# Altium PCB NC1-1B-TESTADAPTER-BASIS_2.PcbDoc
Units mm, origin at the board's own origin, x right, y up, seen from the top; angles counter-clockwise.
Board outline 100 x 100 mm, 4 copper layers (Top Layer, Mid 1 (GND), Mid 2 (PWR), Bottom Layer), stack 1.586 mm thick; 27 components, 23 nets, 46 pads, 0 vias.
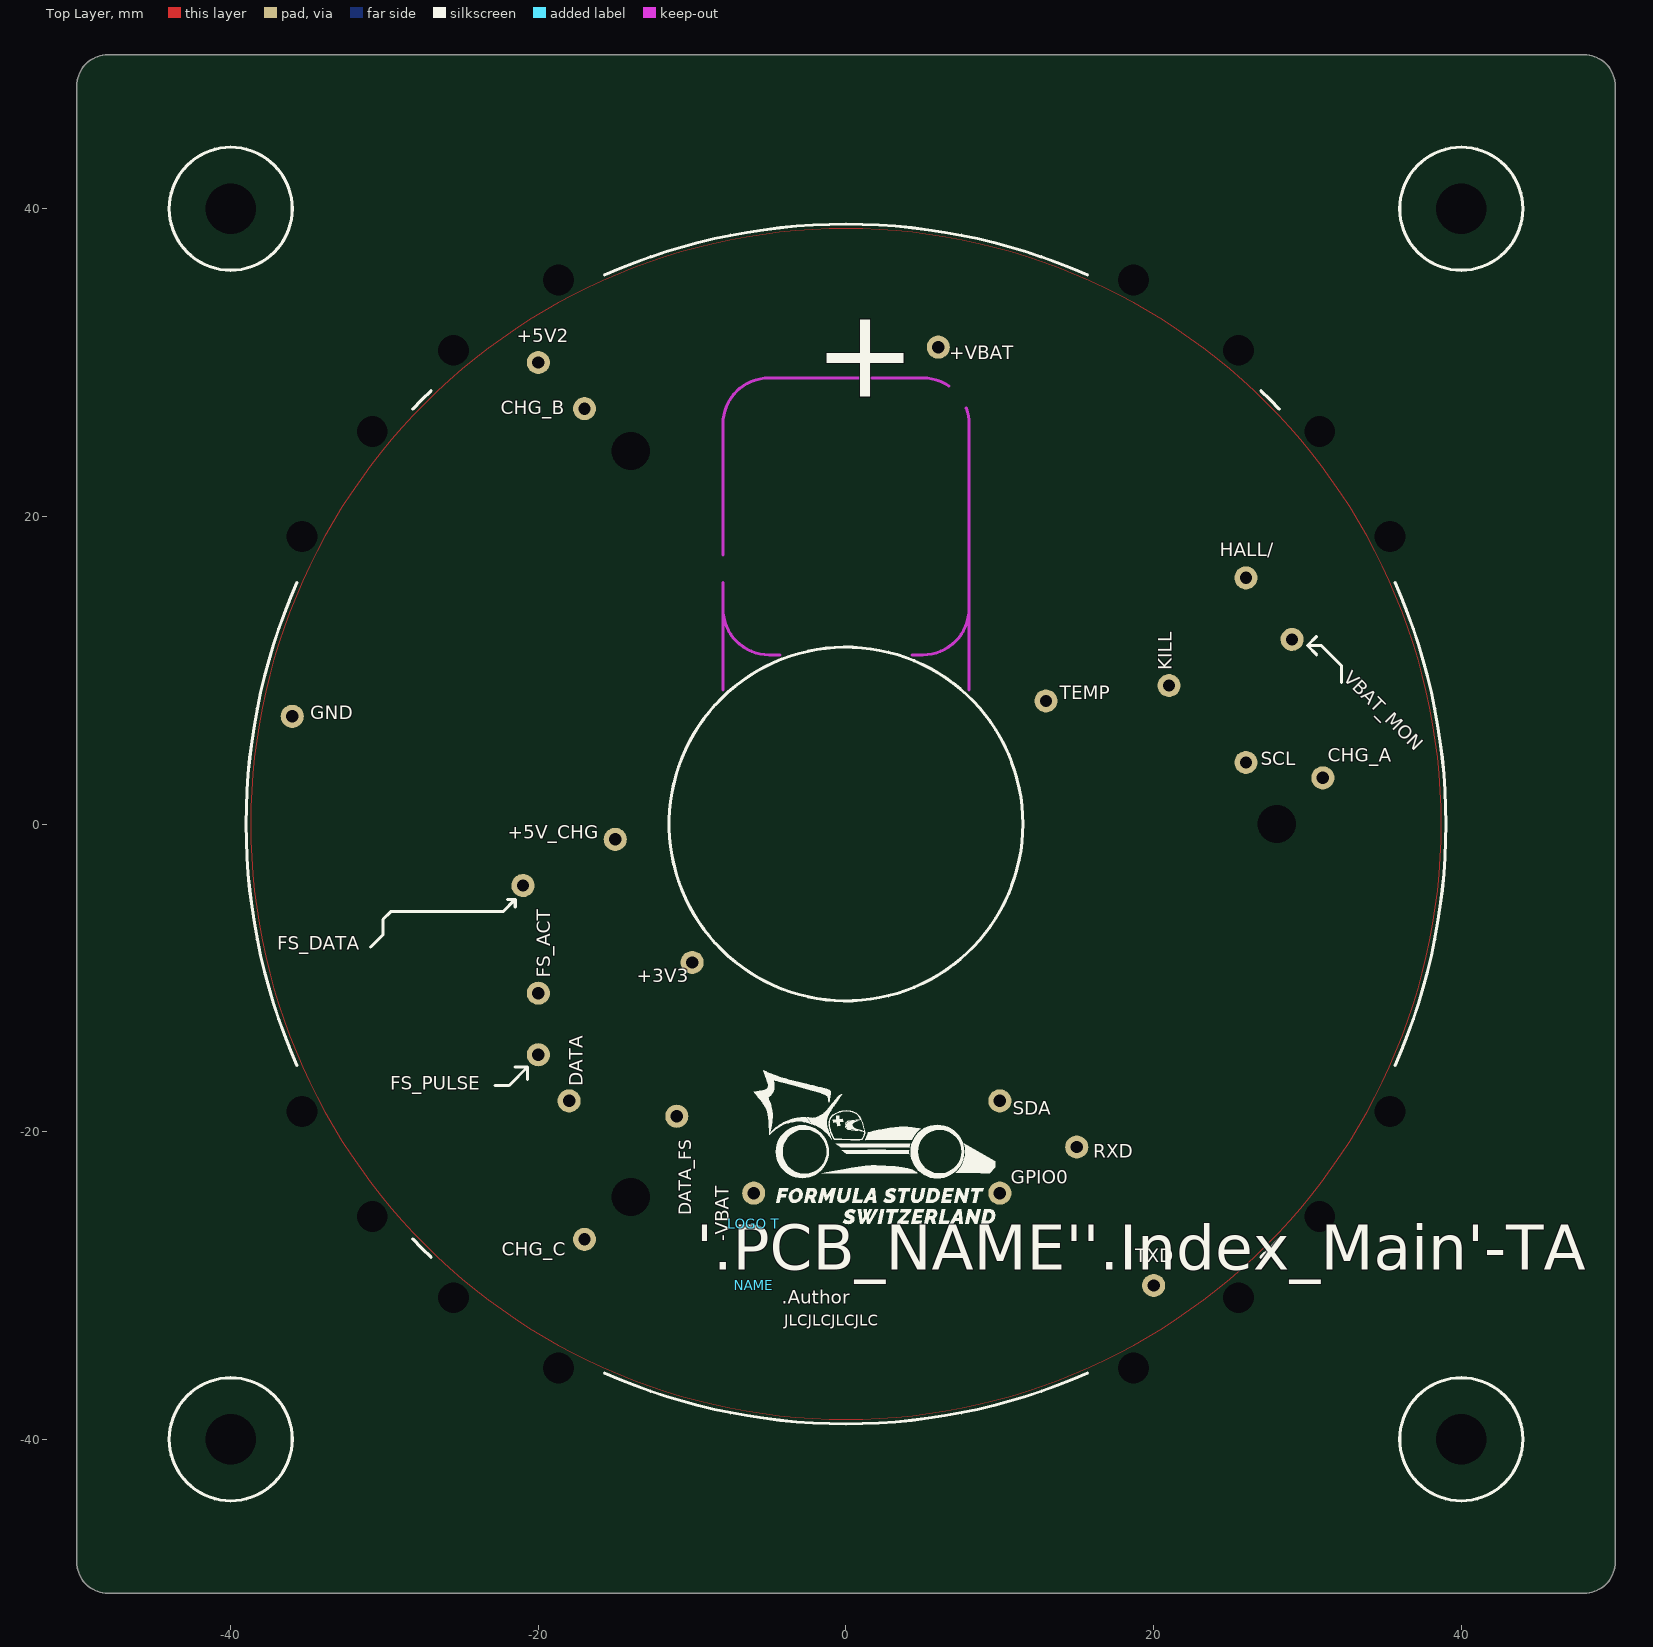
[diagram p0: Top Layer view]
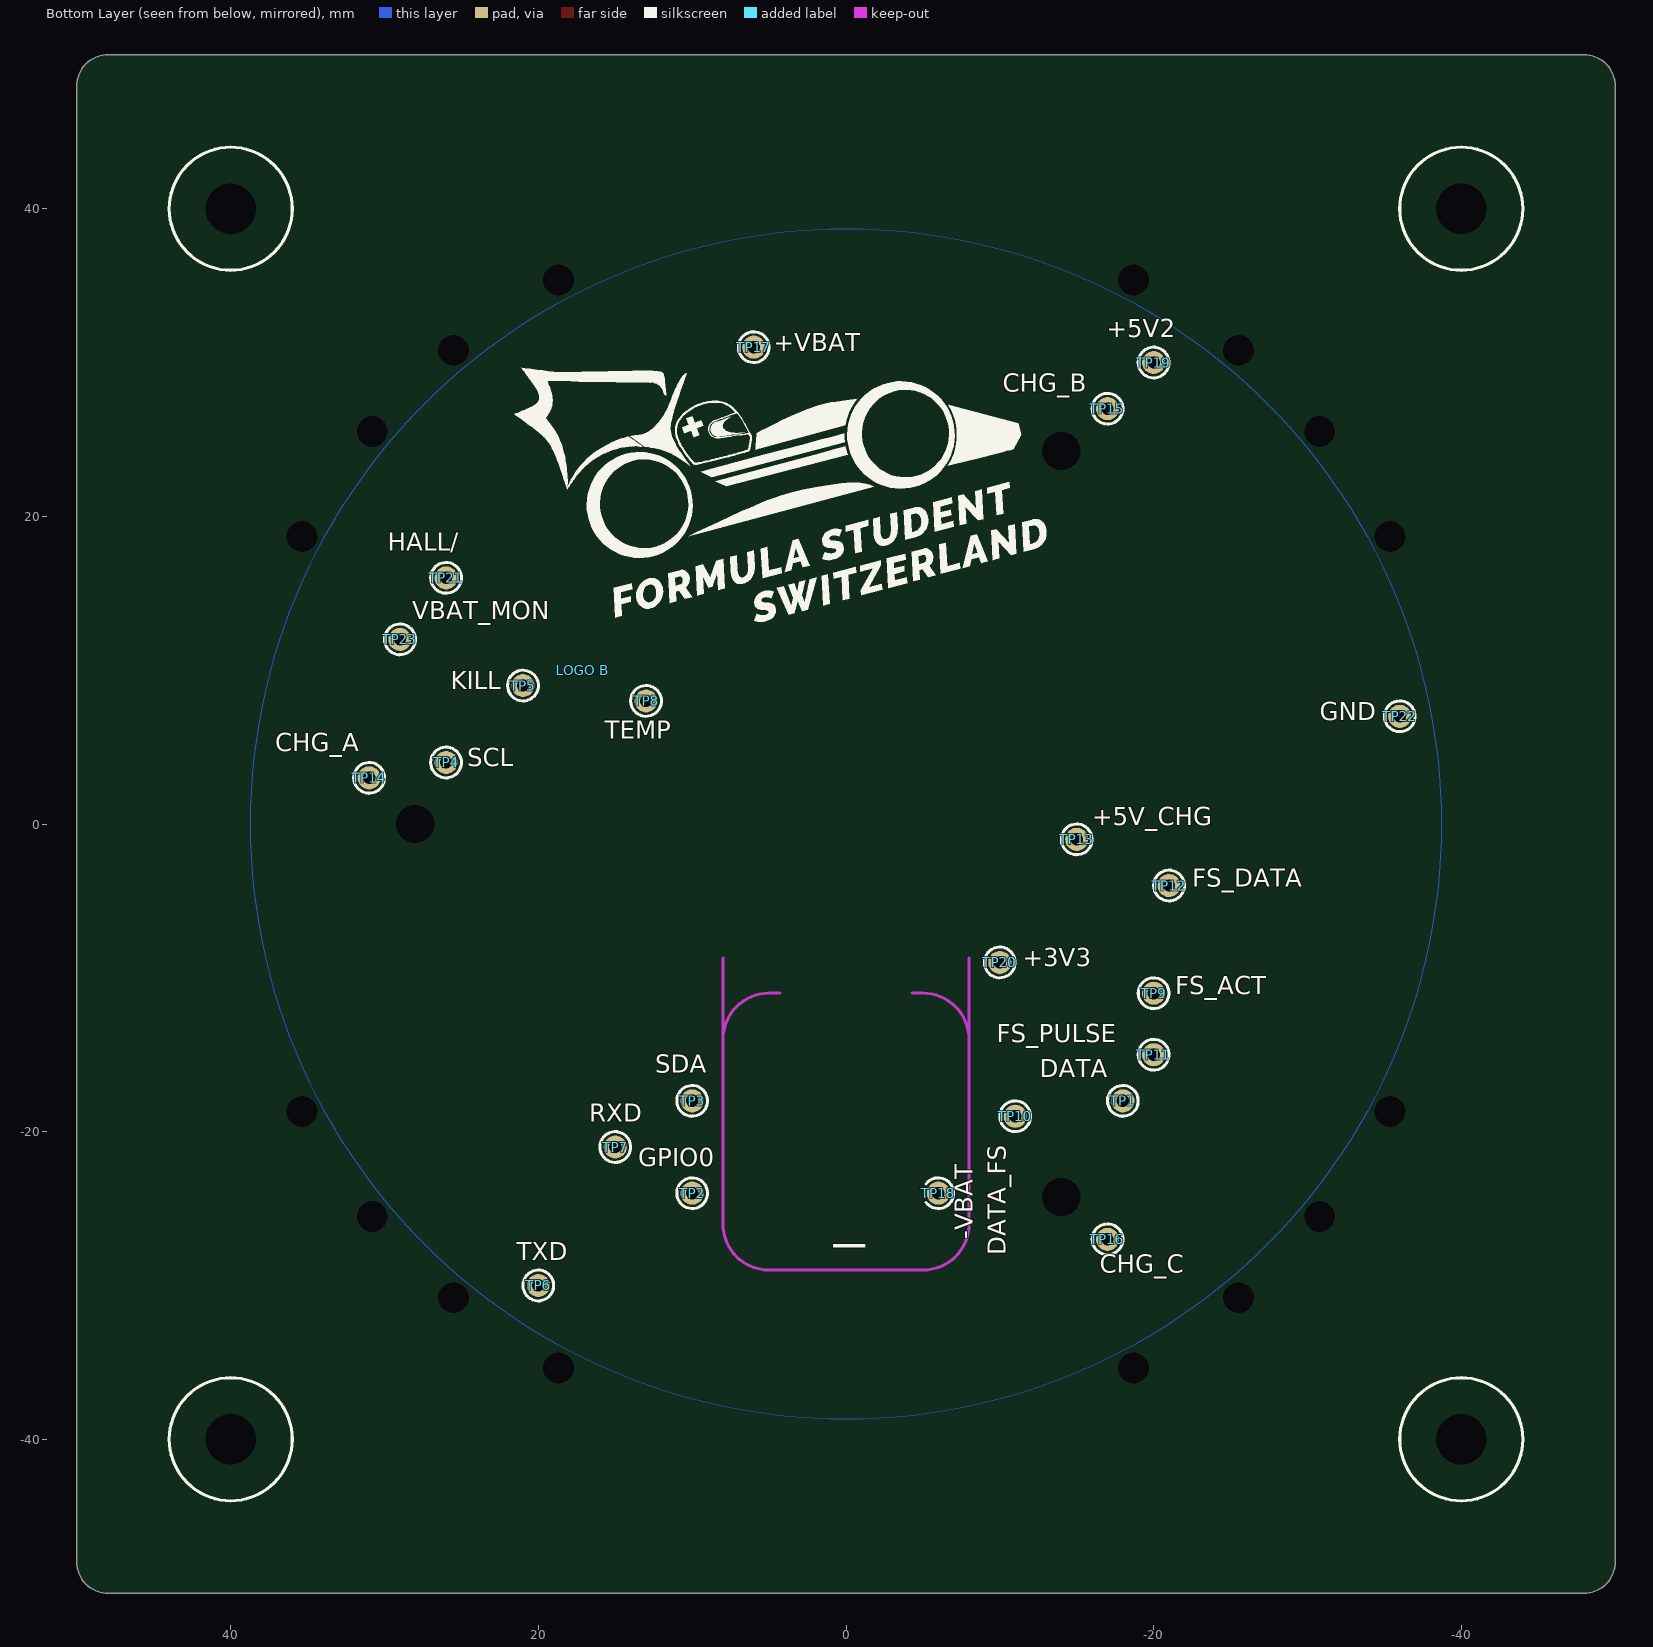
[diagram p1: Bottom Layer view, seen from below]
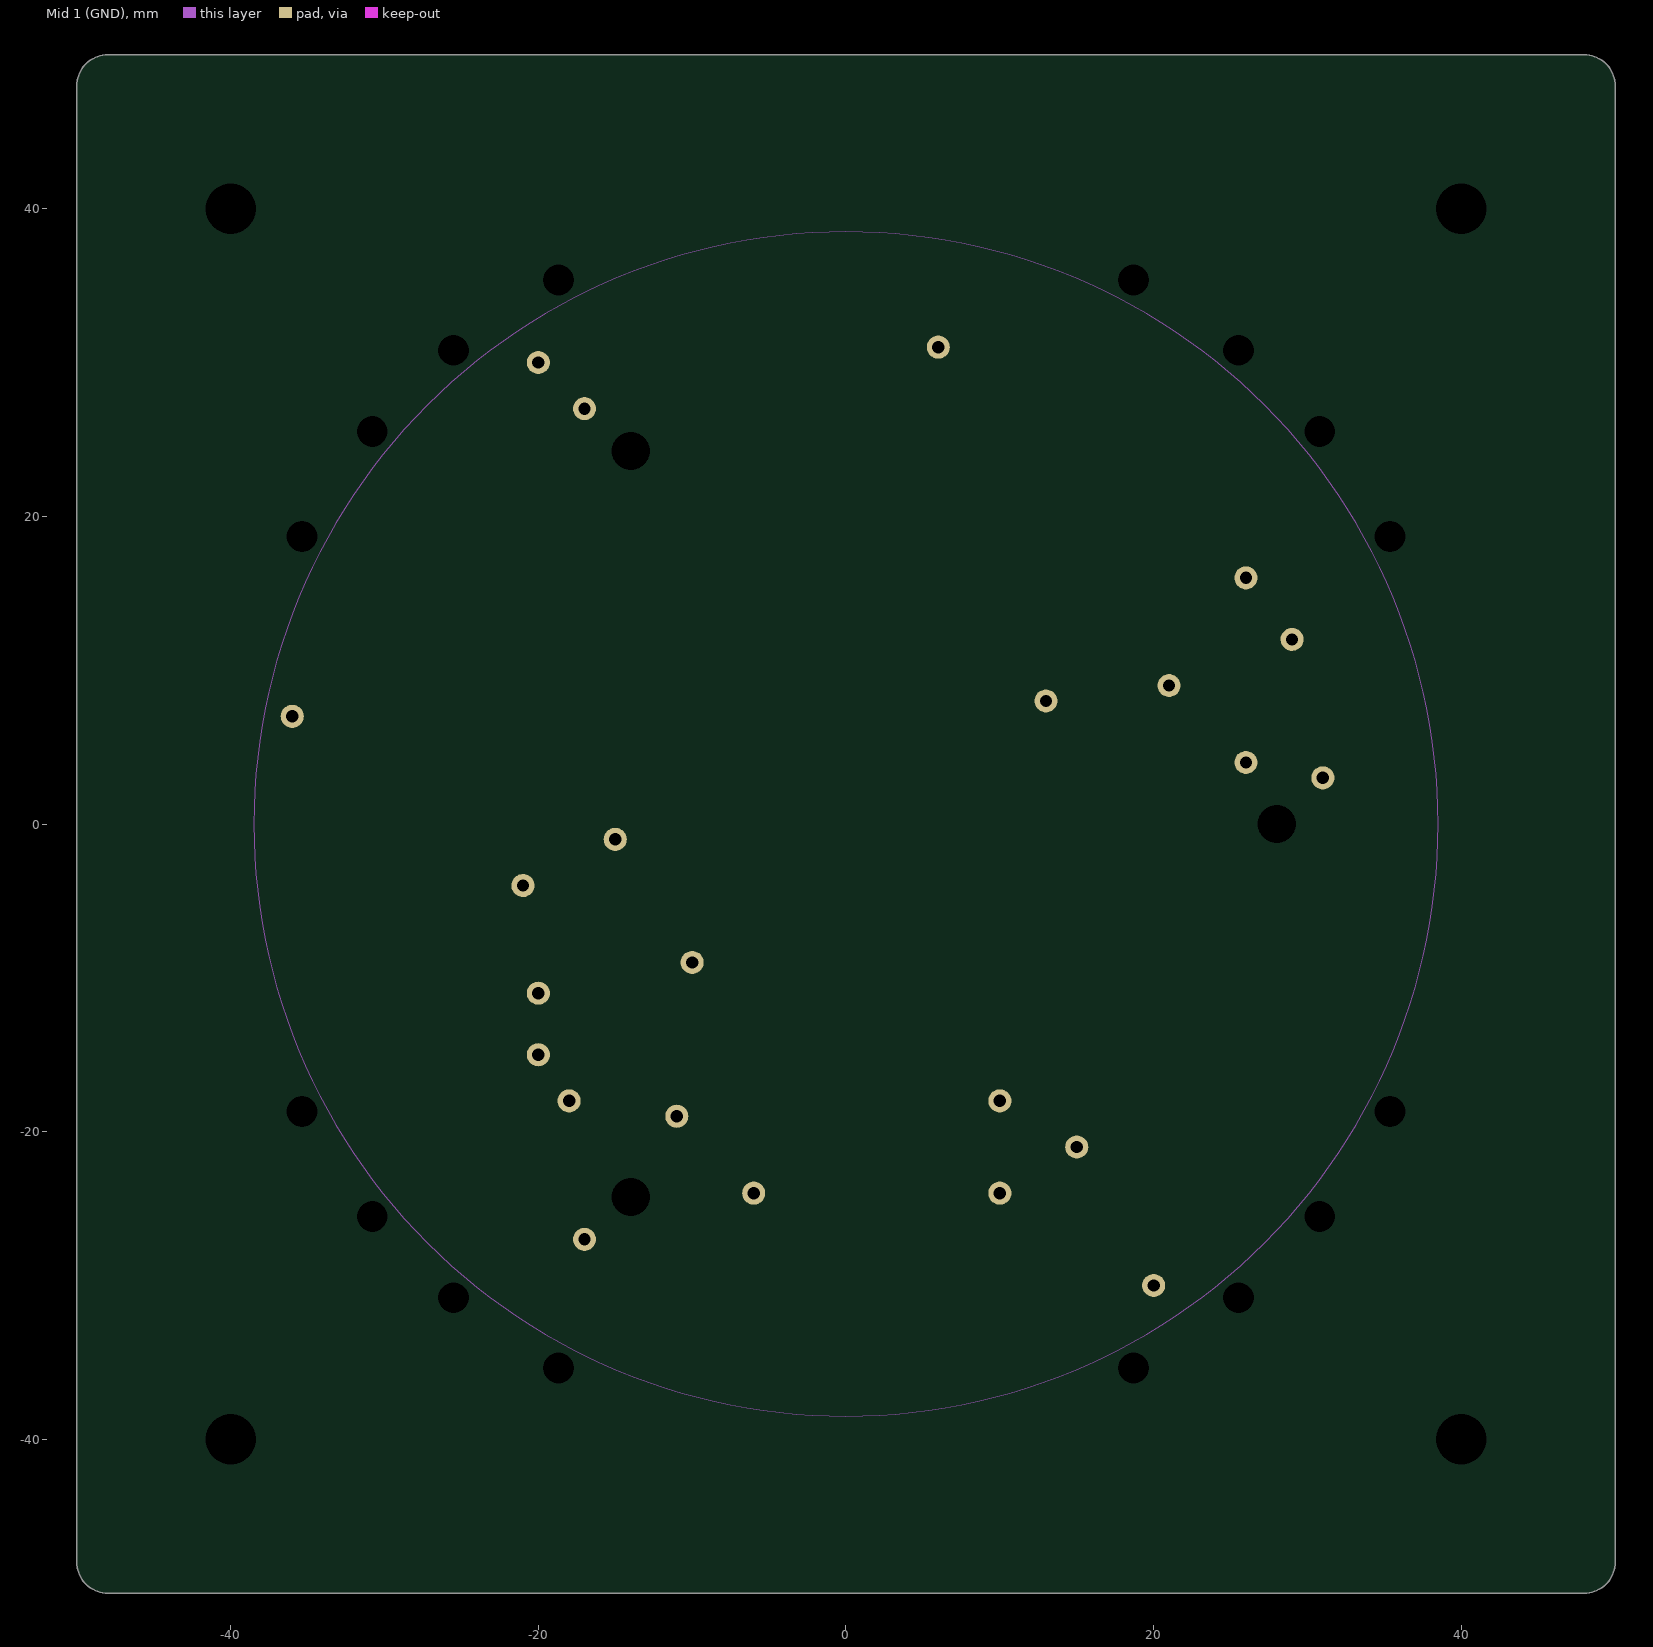
[diagram p2: Mid 1 (GND)]
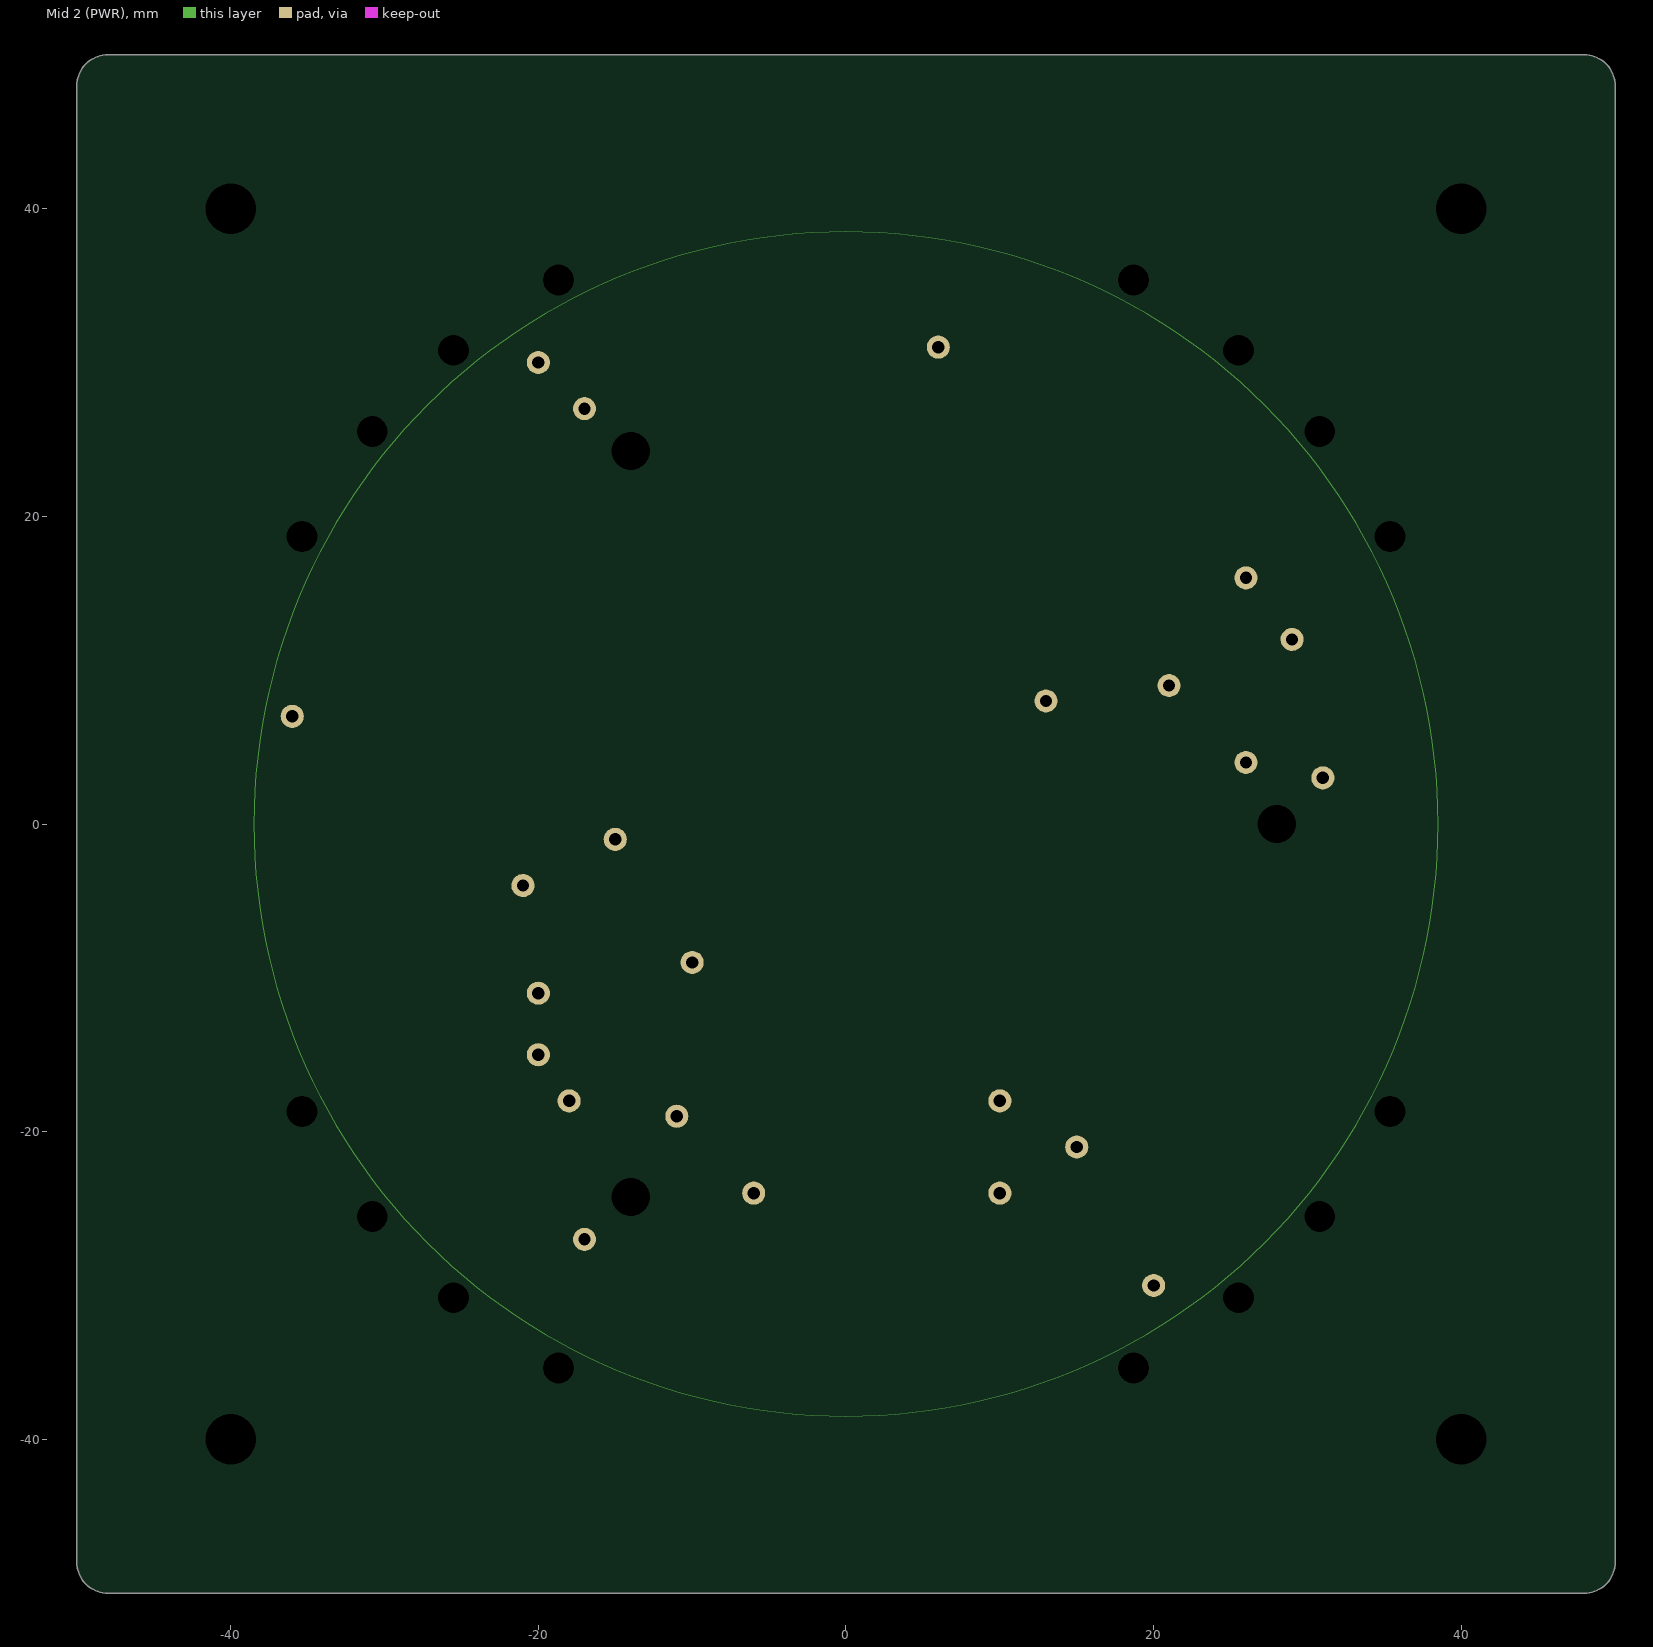
[diagram p3: Mid 2 (PWR)]

## Layer stack, top to bottom
Top Solder: solder mask 0.0102, Solder Resist, Dk 3.5
Top Layer: signal copper 0.035
Dielectric 2: prepreg 0.2104, PP-006, Dk 4.1
Mid 1 (GND): signal copper 0.0152
Dielectric 1: dielectric 1.065, FR-4, Dk 4.8
Mid 2 (PWR): signal copper 0.0152
Dielectric 3: prepreg 0.2104, PP-006, Dk 4.1
Bottom Layer: signal copper 0.035
Bottom Solder: solder mask 0.0102, Solder Resist, Dk 3.5

## Board outline
-50,-48 -50,48 cw(c-48,48) -48,50 48,50 cw(c48,48) 50,48 50,-48 cw(c48,-48) 48,-50 -48,-50 cw(c-48,-48)

## Design rules (kind name [scope] priority, off if disabled: settings)
BoardOutlineClearance [not (InComponent('MOUSE*'))] p1 off: gap=0.3 ignorepadtopadclearanceinfootprint=FALSE except(0: Arc-SplitContinuation Track-SplitContinuation SMDPad-SplitContinuation THPad-SplitContinuation Via-SplitContinuation Fill-SplitContinuation Poly-SplitContinuation Region-SplitContinuation Text-SplitContinuation)
Clearance Clearance_-VBAT [InNet('-VBAT')] p1: gap=1 ignorepadtopadclearanceinfootprint=FALSE except(0: Arc-Hole Track-Hole SMDPad-Hole THPad-Hole Via-Hole Fill-Hole Poly-Hole Region-Hole Text-Hole)
Clearance [All] p2: gap=0.2 ignorepadtopadclearanceinfootprint=FALSE except(0: Arc-Hole Track-Hole SMDPad-Hole THPad-Hole Via-Hole Fill-Hole Poly-Hole Region-Hole Text-Hole; 0.15: Arc-Arc Arc-Track Arc-SMDPad Arc-THPad Arc-Via Arc-Text Track-Track Track-SMDPad Track-THPad Track-Via Track-Text SMDPad-SMDPad SMDPad-THPad SMDPad-Via SMDPad-Text THPad-THPad THPad-Via THPad-Text Via-Via Via-Text Text-Text)
ComponentClearance ComponentClearance_ESP-01S [All] p1: gap=0.254 collisioncheckmode=3 verticalgap=0.254 showdistances=FALSE
ComponentClearance ComponentClearance_Enclosure [isfree] p2: gap=0 collisioncheckmode=3 verticalgap=0 showdistances=FALSE
ComponentClearance [All] p3: gap=0.25 collisioncheckmode=3 verticalgap=0.25 showdistances=FALSE
Height [All] p1: minheight=0 maxheight=100 prefheight=12.7
HoleSize [All] p1: absolutevalues=TRUE maxlimit=27 minlimit=0.3 maxpercent=80.000 minpercent=20.000
HoleToHoleClearance [All] p1: gap=0.3 allowstackedmicrovias=TRUE
MinimumSolderMaskSliver [All] p1: minsoldermaskwidth=0.1
PolygonConnect [All] p1: thpad.connectstyle=Relief thpad.reliefconductorwidth=0.2 thpad.reliefentries=4 thpad.polygonreliefangle="90 Angle" thpad.airgapwidth=0.2 smdpad.connectstyle=Relief smdpad.reliefconductorwidth=0.2 smdpad.reliefentries=4 smdpad.polygonreliefangle="90 Angle" smdpad.airgapwidth=0.2 via.connectstyle=Direct via.reliefconductorwidth=0.254 via.reliefentries=4 via.polygonreliefangle="90 Angle" via.airgapwidth=0.254
RoutingVias [All] p1: holewidth=0.35 width=0.7 viastyle="Through Hole" minholewidth=0.35 minwidth=0.7 maxholewidth=5 maxwidth=6
SilkToSilkClearance [All] p1: silktosilkclearance=0.1
SilkToSolderMaskClearance [IsPad] p1: minsilkscreentomaskgap=0.1 clearancetoexposedcopper=TRUE
SolderMaskExpansion "SolderMaskExpansion Via" [IsVia] p1: expansion=0.1 istentingtop=TRUE
SolderMaskExpansion [All] p2: expansion=0.05 istentingtop=FALSE
UnRoutedNet [All] p1: checkbadconnections=TRUE
Width [All] p1: maxlimit=5 minlimit=0.15 preferedwidth=0.2 minimp=50.000000 maximp=50.000000 favimp=50.000000
22 further rules are at their usual default settings.

## Classes and differential pairs
component class NC1-1-Top: TP1 TP2 TP3 TP4 TP5 TP6 TP7 TP8 TP9 TP10 TP11 TP12 TP13 TP14 TP15 TP16 TP17 TP18 TP19 TP20 TP21 TP22 TP23

## Components (designator, comment, footprint, x,y, rotation, side; value= is the part's Value field where it differs from the comment)
"LOGO B" "Comment" FSCH-LOGO-20MM 17.1,10 r165 bottom
"LOGO T" "Comment" FSCH-LOGO-10MM -6,-26 r0 top
NAME "Comment" PCB-NAME -6,-30 r0 top
TP1 "TP_THD_1.5/0.8" TP_THD_1.5/0.8 -18,-18 r180 bottom
TP2 "TP_THD_1.5/0.8" TP_THD_1.5/0.8 10,-24 r180 bottom
TP3 "TP_THD_1.5/0.8" TP_THD_1.5/0.8 10,-18 r180 bottom
TP4 "TP_THD_1.5/0.8" TP_THD_1.5/0.8 26,4 r180 bottom
TP5 "TP_THD_1.5/0.8" TP_THD_1.5/0.8 21,9 r180 bottom
TP6 "TP_THD_1.5/0.8" TP_THD_1.5/0.8 20,-30 r180 bottom
TP7 "TP_THD_1.5/0.8" TP_THD_1.5/0.8 15,-21 r180 bottom
TP8 "TP_THD_1.5/0.8" TP_THD_1.5/0.8 13,8 r180 bottom
TP9 "TP_THD_1.5/0.8" TP_THD_1.5/0.8 -20,-11 r180 bottom
TP10 "TP_THD_1.5/0.8" TP_THD_1.5/0.8 -11,-19 r180 bottom
TP11 "TP_THD_1.5/0.8" TP_THD_1.5/0.8 -20,-15 r180 bottom
TP12 "TP_THD_1.5/0.8" TP_THD_1.5/0.8 -21,-4 r178.21 bottom
TP13 "TP_THD_1.5/0.8" TP_THD_1.5/0.8 -15,-1 r180 bottom
TP14 "TP_THD_1.5/0.8" TP_THD_1.5/0.8 31,3 r180 bottom
TP15 "TP_THD_1.5/0.8" TP_THD_1.5/0.8 -17,27 r180 bottom
TP16 "TP_THD_1.5/0.8" TP_THD_1.5/0.8 -17,-27 r180 bottom
TP17 "TP_THD_1.5/0.8" TP_THD_1.5/0.8 6,31 r180 bottom
TP18 "TP_THD_1.5/0.8" TP_THD_1.5/0.8 -6,-24 r180 bottom
TP19 "TP_THD_1.5/0.8" TP_THD_1.5/0.8 -20,30 r225 bottom
TP20 "TP_THD_1.5/0.8" TP_THD_1.5/0.8 -10,-9 r225 bottom
TP21 "TP_THD_1.5/0.8" TP_THD_1.5/0.8 26,16 r180 bottom
TP22 "TP_THD_1.5/0.8" TP_THD_1.5/0.8 -36,7 r180 bottom
TP23 "TP_THD_1.5/0.8" TP_THD_1.5/0.8 29,12 r191.98 bottom
? "Comment" JLC-ORDER 0,-31 r0 top

## Footprints (in the part's own frame and the unit in brackets; to place one, negate y for a bottom-side part, rotate by r counter-clockwise, add the part's x,y. Pads: shape width x height; smd on the part's side, far side on the other; paste and mask are expansions set on the pad)
FSCH-LOGO-10MM [mm]
  silkscreen extent 0,0 15.7,9.99, body extent 0,0 15.7,9.99, height 0.01
FSCH-LOGO-20MM [mm]
  silkscreen extent 0,0 31.48,20.02, body extent 0,0 31.48,20.02, height 0.01
JLC-ORDER [mm] "Placement of JLCPCB order number"
PCB-NAME [mm]
TP_THD_1.5/0.8 [mm] "Testpoint THD 1.5mm / 0.8mm"
  round 1.5 hole 0.8: 1(0,0)
  silkscreen extent -1,-1 1,1

## Part data
TP1 TP2 TP3 TP4 TP5 TP6 TP7 TP8 TP9 TP10 TP11 TP12 TP13 TP14 TP15 TP16 TP17 TP18 TP19 TP20 TP21 TP22 TP23: "THT Test Point 1.5/0.8mm", Manufacturer=NONE, Part Number=TP_THD_1.5/0.8

## Free pads (board coordinates)
  round 0 hole 3.3 unplated: M(-40,-40) M(-40,40) M(40,-40) M(40,40)
  round 0 hole 2 unplated: M(-35.367,-18.686) M(-35.367,18.686) M(-30.798,-25.524) M(-30.798,25.524) M(-25.524,-30.798) M(-25.524,30.798) M(-18.686,-35.367) M(-18.686,35.367) M(18.686,-35.367) M(18.686,35.367) M(25.524,-30.798) M(25.524,30.798) M(30.798,-25.524) M(30.798,25.524) M(35.367,-18.686) M(35.367,18.686)
  round 0 hole 2.5 unplated: M(-14,-24.249) M(-14,24.249) M(28,0)

## Nets (pads, with @x,y where several pads share a name; then routed paths per layer and width w, separated by ;. In a path a pad name is that pad's centre, name@x,y a point inside that pad or via, vN(x,y) a via of type N, cw(c..) or ccw(c..) an arc to the next point about the centre after c; other vN are vias at no path point)
+3V3: TP20.1
+5V2: TP19.1
+5V_CHG: TP13.1
+VBAT: TP17.1
-VBAT: TP18.1
CHG_A: TP14.1
CHG_B: TP15.1
CHG_C: TP16.1
DATA: TP1.1
DATA_FS: TP10.1
FS_ACT/: TP9.1
FS_DATA: TP12.1
FS_PULSE: TP11.1
GND: TP22.1
GPIO0: TP2.1
HALL/: TP21.1
KILL: TP5.1
RXD: TP7.1
SCL: TP4.1
SDA: TP3.1
TEMP: TP8.1
TXD: TP6.1
VBAT_MON: TP23.1

## Polygon pours and split planes (outlines as drawn)
+3V3 on Mid 2 (PWR) "NONET_L03_P020" (solid, remove dead copper, shelved, pour order 20): 0,38.5 ccw(c0,0) -38.5,0 ccw(c0,0) 0,-38.5 ccw(c0,0) 38.5,0 ccw(c0,0)
+5V2 on Mid 2 (PWR) "NONET_L03_P011" (solid, remove dead copper, shelved, pour order 11): 0,38.5 ccw(c0,0) -38.5,0 ccw(c0,0) 0,-38.5 ccw(c0,0) 38.5,0 ccw(c0,0)
GND on Mid 1 (GND) "NONET_L02_P014" (solid, remove dead copper, shelved, pour order 14): 0,38.5 ccw(c0,0) -38.5,0 ccw(c0,0) 0,-38.5 ccw(c0,0) 38.5,0 ccw(c0,0)
GND on Top Layer "NONET_L01_P017" (solid, remove dead copper, shelved, pour order 17): 0,38.7 ccw(c0,0) -38.7,0 ccw(c0,0) 0,-38.7 ccw(c0,0) 38.7,0 ccw(c0,0)
GND on Bottom Layer "NONET_L04_P019" (solid, remove dead copper, shelved, pour order 19): 0,38.7 ccw(c0,0) -38.7,0 ccw(c0,0) 0,-38.7 ccw(c0,0) 38.7,0 ccw(c0,0)

## Keep-outs
Top Layer:
  lines w0.2: -8,8.7 -8,14 ; -8,15.7 -8,14 ; -8,17.5 -8,26 cw(c-5,26) -5,29 5,29 cw(c5,26) 6.678,28.487 ; -4.3,11 -5,11 cw(c-5,14) -8,14 ; 4.3,11 5,11 ccw(c5,14) 8,14 ; 7.819,27.026 cw(c5,26) 8,26 8,14 ; 8,8.7 8,14
Bottom Layer:
  lines w0.2: -8,-8.7 -8,-14 ; -4.3,-11 -5,-11 ccw(c-5,-14) -8,-14 ; 4.3,-11 5,-11 cw(c5,-14) 8,-14 ; 8,-8.7 8,-14 ; -8,-14 -8,-26 ccw(c-5,-26) -5,-29 5,-29 ccw(c5,-26) 8,-26 8,-14

## Other copper
Top Layer:
  pour cut-out: 0,12 ccw(c0,0) -12,0 ccw(c0,0) 0,-12 ccw(c0,0) 12,0 ccw(c0,0)
Mid 1 (GND):
  pour cut-out: 0,12 ccw(c0,0) -12,0 ccw(c0,0) 0,-12 ccw(c0,0) 12,0 ccw(c0,0)
Mid 2 (PWR):
  pour cut-out: 0,12 ccw(c0,0) -12,0 ccw(c0,0) 0,-12 ccw(c0,0) 12,0 ccw(c0,0)
Bottom Layer:
  pour cut-out: 0,12 ccw(c0,0) -12,0 ccw(c0,0) 0,-12 ccw(c0,0) 12,0 ccw(c0,0)

## Silkscreen, mask and mechanical layers (free items; w line width, h text height)
Top Overlay:
  circle w0.2: c-40,40 r4
  circle w0.2: c40,40 r4
  circle w0.2: c40,-40 r4
  circle w0.2: c-40,-40 r4
  circle w0.2: c0,0 r11.5
  lines w0.2: -35.697,-15.707 cw(c0,0) -35.697,15.707 ; -30.9,-8 -30.1,-7.2 -30.1,-6.2 -29.6,-5.7 -22.3,-5.7 -21.5,-4.9 ; -28.172,-26.969 ccw(c0,0) -26.969,-28.172 ; -28.172,26.969 cw(c0,0) -26.969,28.172 ; -22.8,-17 -21.9,-17 -20.7,-15.8 ; -22,-4.9 -21.5,-4.9 ; -21.5,-15.8 -20.7,-15.8 ; -21.5,-5.4 -21.5,-4.9 ; -20.7,-16.6 -20.7,-15.8 ; -15.707,-35.697 ccw(c0,0) 15.707,-35.697 ; -15.707,35.697 cw(c0,0) 15.707,35.697 ; 26.969,-28.172 ccw(c0,0) 28.172,-26.969 ; 26.969,28.172 cw(c0,0) 28.172,26.969 ; 30.6,11 30,11.6 ; 30.6,12.2 30,11.6 ; 32.2,9.2 32.2,10.3 30.9,11.6 30,11.6 ; 35.697,-15.707 ccw(c0,0) 35.697,15.707
  text "+5V2" at -21.413,31.026 h1.5
  text "+VBAT" at 6.707,29.919 h1.5
  text "CHG_B" at -22.443,26.344 h1.5
  text "+" at -2.112,25.851 h10
  text "HALL/" at 24.289,17.119 h1.5
  text "KILL" at 21.481,9.993 h1.5 r90
  text "VBAT_MON" at 32.08,9.217 h1.5 r315
  text "TEMP" at 13.881,7.819 h1.5
  text "GND" at -34.82,6.519 h1.5
  text "CHG_A" at 31.321,3.744 h1.5
  text "SCL" at 26.949,3.519 h1.5
  text "+5V_CHG" at -21.998,-1.256 h1.5
  text "FS_DATA" at -36.965,-8.456 h1.5
  text "FS_ACT" at -18.944,-10.003 h1.5 r90
  text "+3V3" at -13.618,-10.574 h1.5
  text "DATA" at -16.82,-17.038 h1.5 r90
  text "FS_PULSE" at -29.639,-17.556 h1.5
  text "SDA" at 10.851,-19.181 h1.5
  text "RXD" at 16.071,-21.981 h1.5
  text "GPIO0" at 10.717,-23.681 h1.5
  text "DATA_FS" at -9.768,-25.436 h1.4 r90
  text "-VBAT" at -7.32,-27.14 h1.5 r90
  text "CHG_C" at -22.39,-28.356 h1.5
  text "TXD" at 18.809,-28.781 h1.5
  text ".Author" at -4.183,-31.481 h1.5
Bottom Overlay:
  circle w0.2: c-40,40 r4
  circle w0.2: c40,40 r4
  circle w0.2: c40,-40 r4
  circle w0.2: c-40,-40 r4
  text "+5V2" at -16.966,31.268 h2
  text "+VBAT" at 4.7,30.359 h2
  text "CHG_B" at -10.2,27.726 h2
  text "HALL/" at 29.8,17.359 h2
  text "VBAT_MON" at 28.198,12.926 h2
  text "KILL" at 25.694,8.359 h2
  text "GND" at -30.813,6.359 h2
  text "TEMP" at 15.695,5.159 h2
  text "CHG_A" at 37.096,4.326 h2
  text "SCL" at 24.639,3.359 h2
  text "+5V_CHG" at -16,-0.474 h2
  text "FS_DATA" at -22.494,-4.474 h2
  text "+3V3" at -11.5,-9.632 h2
  text "FS_ACT" at -21.4,-11.474 h2
  text "FS_PULSE" at -9.796,-14.574 h2
  text "SDA" at 12.395,-16.572 h2
  text "DATA" at -12.6,-16.841 h2
  text "RXD" at 16.7,-19.741 h2
  text "GPIO0" at 13.5,-22.641 h2
  text "-VBAT" at -8.641,-27 h2 r270
  text "DATA_FS" at -10.774,-28.021 h2 r270
  text "TXD" at 21.4,-28.741 h2
  text "CHG_C" at -16.5,-29.574 h2
  text "-" at 1.208,-31.32 h10
Board:
  the board outline again, w0.1
Dimensions:
  lines w0.2: 25.456,-25.456 0,0 33.26,-13.777

## Dimensions
0,0 to 14,0 on Dimensions
27.577,27.577 to 32,-31 on Dimensions

## Text inside footprints (layer, text, board x,y; h text height)
?: Top Overlay "JLCJLCJLCJLC" at -4.014,-32.884 h1.2